# Altium PCB A_base2017.PcbDoc (part 4 of 4)
Units mil, origin at the board's own origin, x right, y up, seen from the top; angles counter-clockwise.
Board outline 7800.07 x 4185 mil, 2 copper layers (Top Layer, Bottom Layer); 147 components, 175 nets, 700 pads, 92 vias.
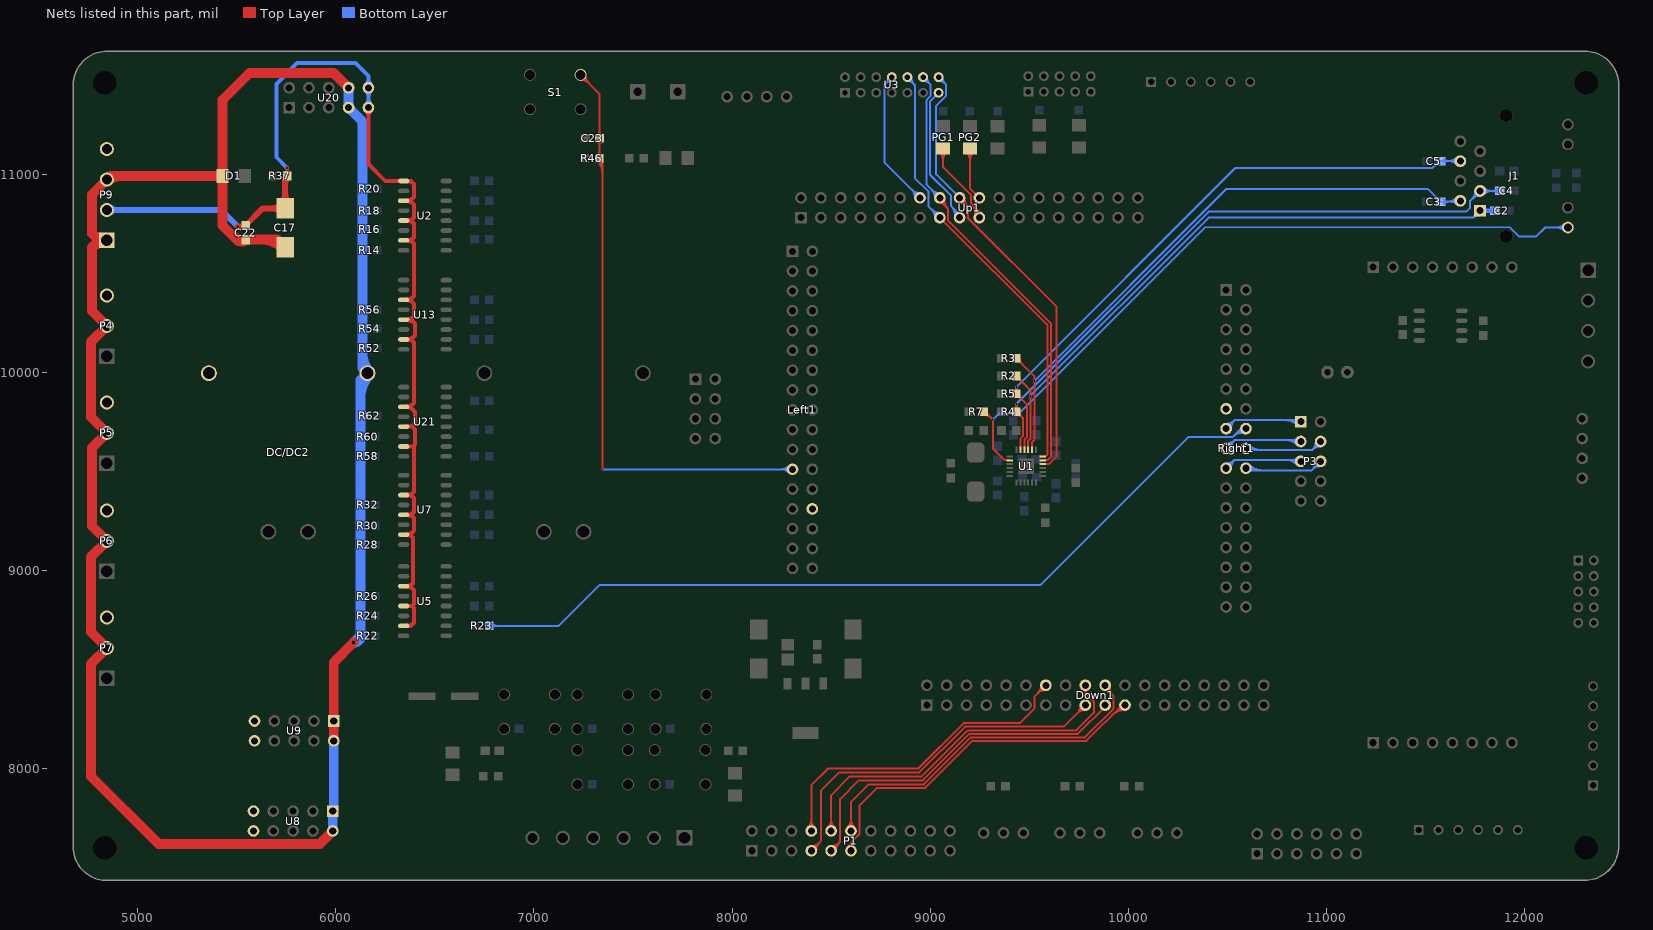
[diagram p4: the nets of this part, all layers, seen from the top]

## Via types
v1: diameter 10, hole 10, Top Layer to Bottom Layer, 80 vias
v2: diameter 20, hole 20, Top Layer to Bottom Layer, 11 vias
v3: diameter 12, hole 12, Top Layer to Bottom Layer, 1 vias

## Nets (pads, with @x,y where several pads share a name; then routed paths per layer and width w, separated by ;. In a path a pad name is that pad's centre, name@x,y a point inside that pad or via, vN(x,y) a via of type N, cw(c..) or ccw(c..) an arc to the next point about the centre after c; other vN are vias at no path point) (continued)
PF12: Down1.14 P1.8 | length 1953.7
  Top Layer w10: P1.8@8382.66,7702.34 ccw(c8340.79,7744.21) 8400,7744.21 ccw(c8459.21,7744.21) P1.8@8417.34,7702.34 ; P1.8@8389.73,7695.27 ccw(c8364.93,7720.07) 8400,7720.07 ccw(c8435.07,7720.07) P1.8@8410.27,7695.27 ; P1.8@8400,7685 8400,7915 8485,8000 8939.53,8000 9168.53,8229 9452.3,8229 9525.6,8302.3 9525.6,8362.44 Down1.14@9583.07,8419.91 ; Down1.14@9558.54,8419.91 cw(c9499.33,8419.91) 9541.2,8378.04 cw(c9583.07,8336.17) Down1.14@9583.07,8395.39 ; Down1.14@9568.54,8419.91 cw(c9533.47,8419.91) 9558.27,8395.11 cw(c9583.07,8370.31) Down1.14@9583.07,8405.39
PF13: Down1.17 P1.7 | length 2133.1
  Top Layer w10: P1.7@8400,7585 8450,7635 8450,7890 8540,7980 8944.98,7980 9175.98,8211 9674.16,8211 Down1.17@9783.07,8319.91 ; P1.7@8400,7599.53 ccw(c8400,7634.6) 8424.8,7609.8 ccw(c8449.6,7585) P1.7@8414.53,7585 ; P1.7@8400,7609.53 ccw(c8400,7668.74) 8441.87,7626.87 ccw(c8483.74,7585) P1.7@8424.53,7585 ; Down1.17@9758.54,8319.91 cw(c9699.33,8319.91) 9741.2,8278.04 cw(c9783.07,8236.17) Down1.17@9783.07,8295.39 ; Down1.17@9768.54,8319.91 cw(c9733.47,8319.91) 9758.27,8295.11 cw(c9783.07,8270.31) Down1.17@9783.07,8305.39
PF14: Down1.18 P1.10 | length 2027.2
  Top Layer w10: P1.10@8482.66,7702.34 ccw(c8440.79,7744.21) 8500,7744.21 ccw(c8559.21,7744.21) P1.10@8517.34,7702.34 ; P1.10@8489.73,7695.27 ccw(c8464.93,7720.07) 8500,7720.07 ccw(c8535.07,7720.07) P1.10@8510.27,7695.27 ; P1.10@8500,7685 8500,7865 8595,7960 8957,7960 9190,8193 9738,8193 9825.6,8280.6 9825.6,8337.53 9783.07,8380.06 ; Down1.18@9772.02,8398.02 cw(c9762.95,8380.06) 9783.07,8380.06 ; Down1.18@9783.07,8419.91 9783.07,8380.06 ; Down1.18@9794.12,8398.02 ccw(c9803.19,8380.06) 9783.07,8380.06
PF15: Down1.19 P1.9 | length 1965.8
  Top Layer w10: P1.9@8500,7585 8545,7630 8545,7845 8640,7940 8962.46,7940 9197.46,8175 9745.46,8175 9883.07,8312.62 Down1.19@9883.07,8319.91 ; P1.9@8500,7599.53 ccw(c8500,7634.6) 8524.8,7609.8 ccw(c8549.6,7585) P1.9@8514.53,7585 ; P1.9@8500,7609.53 ccw(c8500,7668.74) 8541.87,7626.87 ccw(c8583.74,7585) P1.9@8524.53,7585
PG0: Down1.20 P1.12 | length 2103.1
  Top Layer w10: P1.12@8582.66,7702.34 ccw(c8540.79,7744.21) 8600,7744.21 ccw(c8659.21,7744.21) P1.12@8617.34,7702.34 ; P1.12@8589.73,7695.27 ccw(c8564.93,7720.07) 8600,7720.07 ccw(c8635.07,7720.07) P1.12@8610.27,7695.27 ; P1.12@8600,7685 8600,7830 8690,7920 8967.91,7920 9204.91,8157 9780.3,8157 9925.6,8302.3 9925.6,8362.44 ; Down1.20@9883.07,8395.39 cw(c9883.07,8372.25) 9899.43,8388.61 ; Down1.20@9883.07,8419.91 9883.07,8404.97 9925.6,8362.44 ; Down1.20@9887.56,8419.3 ccw(c9920.9,8414.74) 9897.1,8390.94 ; Down1.20@9897.47,8417.94 ccw(c9945.97,8411.31) 9911.35,8376.69 ; Down1.20@9907.37,8416.59 ccw(c9971.03,8407.87) 9925.6,8362.44
PG1: Down1.21 P1.11 | length 2024
  Top Layer w10: P1.11@8588.95,7606.9 ccw(c8579.88,7624.86) 8600,7624.86 ; P1.11@8600,7585 8600,7624.86 ; P1.11@8611.05,7606.9 cw(c8620.12,7624.86) 8600,7624.86 ; 9916.62,8267.86 cw(c9983.07,8201.4) Down1.21@9983.07,8295.39 ; 9933.69,8284.93 cw(c9983.07,8235.55) Down1.21@9983.07,8305.39 ; 9950.76,8302 cw(c9983.07,8269.69) Down1.21@9983.07,8315.39 ; 9951.38,8302.63 ccw(c9934.1,8319.91) Down1.21@9958.54,8319.91 ; Down1.21@9983.07,8319.91 9968.67,8319.91 9787.76,8139 9212.37,8139 8975.37,7902 8732,7902 8642.53,7812.53 8642.53,7667.38 8600,7624.86
PG2: P3.6 Right1.20 | length 731.6
  Top Layer w10: Right1.20@10593.09,9515.17 Right1.20@10603.26,9505
  Bottom Layer w10: Right1.20@10596.29,9518.37 ccw(c10628.58,9550.66) 10628.58,9505 ; Right1.20@10603.26,9505 10925,9505 P3.6@10970,9550 ; Right1.20@10603.37,9525.44 ccw(c10652.72,9574.8) 10652.72,9505 ; Right1.20@10610.44,9497.83 cw(c10627.75,9480.51) 10627.75,9505 ; Right1.20@10610.44,9532.52 ccw(c10676.86,9598.94) 10676.86,9505 ; P3.6@10945.47,9550 cw(c10886.26,9550) 10928.13,9508.13 cw(c10970,9466.26) P3.6@10970,9525.47 ; P3.6@10955.47,9550 cw(c10920.4,9550) 10945.2,9525.2 cw(c10970,9500.4) P3.6@10970,9535.47
PG3: P3.5 Right1.19 | length 716.3
  Top Layer w10: P3.5@10862.3,9557.7 P3.5@10870,9550
  Bottom Layer w10: Right1.19@10493.09,9515.17 10535.62,9557.7 P3.5@10862.3,9557.7 ; Right1.19@10493.09,9529.7 ccw(c10493.09,9564.77) 10517.89,9539.97 ccw(c10542.69,9515.17) Right1.19@10507.62,9515.17 ; Right1.19@10493.09,9539.7 ccw(c10493.09,9598.91) 10534.96,9557.04 ccw(c10576.84,9515.17) Right1.19@10517.62,9515.17 ; 10792.2,9557.7 cw(c10792.2,9472.2) P3.5@10852.66,9532.66 ; 10816.34,9557.7 cw(c10816.34,9496.34) P3.5@10859.73,9539.73 ; 10829.37,9557.7 ccw(c10829.37,9590.63) P3.5@10852.66,9567.34 ; 10840.48,9557.7 cw(c10840.48,9520.48) P3.5@10866.8,9546.8
PG4: P3.4 Right1.18 | length 716.3
  Top Layer w10: Right1.18@10593.09,9615.17 Right1.18@10600.79,9607.47
  Bottom Layer w10: Right1.18@10596.29,9618.37 ccw(c10622.61,9644.69) 10622.61,9607.47 ; Right1.18@10600.79,9607.47 10927.47,9607.47 P3.4@10970,9650 ; Right1.18@10603.37,9625.44 ccw(c10646.75,9668.83) 10646.75,9607.47 ; Right1.18@10610.44,9597.83 cw(c10633.72,9574.55) 10633.72,9607.47 ; Right1.18@10610.44,9632.52 ccw(c10670.9,9692.98) 10670.9,9607.47 ; P3.4@10945.47,9650 cw(c10886.26,9650) 10928.13,9608.13 cw(c10970,9566.26) P3.4@10970,9625.47 ; P3.4@10955.47,9650 cw(c10920.4,9650) 10945.2,9625.2 cw(c10970,9600.4) P3.4@10970,9635.47
PG5: P3.3 Right1.17 | length 716.3
  Top Layer w10: P3.3@10862.3,9657.7 P3.3@10870,9650
  Bottom Layer w10: Right1.17@10493.09,9615.17 10535.62,9657.7 P3.3@10862.3,9657.7 ; Right1.17@10493.09,9629.7 ccw(c10493.09,9664.77) 10517.89,9639.97 ccw(c10542.69,9615.17) Right1.17@10507.62,9615.17 ; Right1.17@10493.09,9639.7 ccw(c10493.09,9698.91) 10534.96,9657.04 ccw(c10576.84,9615.17) Right1.17@10517.62,9615.17 ; 10792.2,9657.7 cw(c10792.2,9572.2) P3.3@10852.66,9632.66 ; 10816.34,9657.7 cw(c10816.34,9596.34) P3.3@10859.73,9639.73 ; 10829.37,9657.7 ccw(c10829.37,9690.63) P3.3@10852.66,9667.34 ; 10840.48,9657.7 cw(c10840.48,9620.48) P3.3@10866.8,9646.8
PG6: R23.1 Right1.16 | length 4463.1
  Bottom Layer w10: R23.1@6775,8720 7125,8720 7330,8925 9555.46,8925 9583,8952.54 9583,8953 10302.64,9672.64 10525.11,9672.64 ; R23.1@6786.78,8708.22 cw(c6815.21,8679.79) 6815.21,8720 cw(c6815.21,8760.21) R23.1@6786.78,8731.78 ; 10538.1,9685.64 cw(c10578.16,9645.59) Right1.16@10590.04,9700.97 ; 10551.1,9698.63 cw(c10582.75,9666.98) Right1.16@10592.14,9710.75 ; Right1.16@10587.95,9691.19 ccw(c10573.57,9624.19) 10525.11,9672.65 ; Right1.16@10593.09,9715.17 10567.64,9715.17 10525.11,9672.64
PG7: P3.1 Right1.15 | length 716.3
  Top Layer w10: P3.1@10862.3,9757.7 P3.1@10870,9750
  Bottom Layer w10: Right1.15@10493.09,9715.17 10535.62,9757.7 P3.1@10862.3,9757.7 ; Right1.15@10493.09,9729.7 ccw(c10493.09,9764.77) 10517.89,9739.97 ccw(c10542.69,9715.17) Right1.15@10507.62,9715.17 ; Right1.15@10493.09,9739.7 ccw(c10493.09,9798.91) 10534.96,9757.04 ccw(c10576.84,9715.17) Right1.15@10517.62,9715.17 ; 10792.2,9757.7 cw(c10792.2,9672.2) P3.1@10852.66,9732.66 ; 10816.34,9757.7 cw(c10816.34,9696.34) P3.1@10859.73,9739.73 ; 10829.37,9757.7 ccw(c10829.37,9790.63) P3.1@10852.66,9767.34 ; P3.1@10840.48,9757.7 cw(c10840.48,9720.48) P3.1@10866.8,9746.8
PG8: Right1.13
PG9: PG2.2 Up1.20 | length 428.3
  Top Layer w10: PG2.2@9181.62,11110.62 cw(c9137.23,11066.23) 9200,11066.23 cw(c9262.77,11066.23) PG2.2@9218.38,11110.62 ; PG2.2@9188.69,11117.69 cw(c9161.37,11090.37) 9200,11090.37 cw(c9238.63,11090.37) PG2.2@9211.31,11117.69 ; PG2.2@9200,11129 9200,10928.09 Up1.20@9248.15,10879.94
PG10: PG1.2 Up1.19 | length 838.4
  Top Layer w10: PG1.2@9046.62,11110.62 cw(c9002.23,11066.23) 9065,11066.23 cw(c9127.77,11066.23) PG1.2@9083.38,11110.62 ; PG1.2@9053.69,11117.69 cw(c9026.37,11090.37) 9065,11090.37 cw(c9103.63,11090.37) PG1.2@9076.31,11117.69 ; PG1.2@9065,11129 9065,11035 9205.62,10894.38 9205.62,10854.38 ; 9218.04,10841.96 cw(c9174.75,10798.67) Up1.19@9234.07,10783.54 ; Up1.19@9224.38,10786.01 ccw(c9154.96,10803.72) 9205.62,10854.38 ; 9230.46,10829.54 cw(c9194.54,10793.62) Up1.19@9243.76,10781.06 ; Up1.19@9241.84,10803.65 ccw(c9239.65,10811.85) 9248.14,10811.85 ; 9242.88,10817.12 cw(c9214.32,10788.57) Up1.19@9253.45,10778.59 ; Up1.19@9248.15,10779.94 9248.15,10811.85 ; Up1.19@9254.45,10803.65 cw(c9256.64,10811.85) 9248.15,10811.85 ; 9205.62,10854.38 9248.15,10811.85
PG11: U1.16 U3.14 Up1.18 | length 2512.9
  Top Layer w10: Up1.18@9148.15,10855.42 cw(c9148.15,10796.2) 9190.02,10838.07 cw(c9231.89,10879.94) Up1.18@9172.67,10879.94 ; Up1.18@9148.15,10865.42 cw(c9148.15,10830.34) 9172.95,10855.15 cw(c9197.75,10879.94) Up1.18@9162.67,10879.94 ; Up1.18@9148.15,10879.94 9190.67,10837.42 9190.67,10777.27 9637.8,10330.14 9637.8,9575.09 9598.34,9535.63 U1.16@9567.25,9535.63
  Bottom Layer w10: U3.14@9042.44,11468.74 cw(c9042.44,11420.46) 9076.58,11454.6 cw(c9110.73,11488.74) U3.14@9062.44,11488.74 ; U3.14@9042.44,11488.74 9080.44,11450.74 9080.44,11394.26 9058.18,11372 9030,11343.82 9030,10998.09 Up1.18@9148.15,10879.94
PG12: U3.13 Up1.17 | length 862.5
  Bottom Layer w10: U3.13@9042.44,11410 9042.44,11409.54 9000,11367.1 9000,10995 9105.62,10889.38 9105.62,10837.42 ; 9119.87,10823.17 cw(c9085.25,10788.55) Up1.17@9133.75,10781.92 ; Up1.17@9123.84,10783.27 ccw(c9060.19,10791.98) 9105.62,10837.42 ; 9131.79,10811.25 ccw(c9148.15,10827.61) Up1.17@9148.15,10804.47 ; 9134.11,10808.92 cw(c9110.31,10785.12) Up1.17@9143.66,10780.56 ; Up1.17@9148.15,10779.94 9148.15,10794.89 9105.62,10837.42
PG13: U1.17 U3.12 Up1.16 | length 2629.1
  Top Layer w10: Up1.16@9048.15,10855.42 cw(c9048.15,10832.28) 9064.5,10848.64 ; Up1.16@9048.15,10879.94 9048.15,10865 9090.67,10822.47 ; Up1.16@9052.63,10879.33 ccw(c9085.98,10874.77) 9062.18,10850.97 ; Up1.16@9062.54,10877.97 ccw(c9111.04,10871.34) 9076.42,10836.72 ; Up1.16@9072.45,10876.62 ccw(c9136.1,10867.91) 9090.67,10822.47 ; U1.17@9567.25,9555.31 9568.94,9557 9594.26,9557 9610,9572.74 9610,10245 9090.67,10764.33 9090.67,10822.47
  Bottom Layer w10: U3.12@8963.7,11468.74 cw(c8963.7,11420.46) 8997.84,11454.6 cw(c9031.99,11488.74) U3.12@8983.7,11488.74 ; U3.12@8963.7,11488.74 9001.7,11450.74 9001.7,11394.26 8980,11372.56 8980,10948.09 Up1.16@9048.15,10879.94 ; Up1.16@9023.62,10879.94 ccw(c8964.4,10879.94) 9006.27,10921.82 ccw(c9048.15,10963.69) Up1.16@9048.15,10904.47 ; Up1.16@9033.62,10879.94 ccw(c8998.55,10879.94) 9023.35,10904.75 ccw(c9048.15,10929.55) Up1.16@9048.15,10894.47
PG14: U1.18 U3.10 Up1.15 | length 2473.6
  Top Layer w10: Up1.15@9048.15,10779.94 9592,10236.09 9592,9585 9582,9575 U1.18@9567.25,9575
  Bottom Layer w10: U3.10@8884.96,11468.74 cw(c8884.96,11427.07) 8914.43,11456.54 ; U3.10@8884.96,11488.74 8884.96,11486 8922.96,11448 8922.96,10979.67 8990.67,10911.96 8990.67,10837.42 Up1.15@9048.15,10779.94 ; U3.10@8894.96,11488.74 ccw(c8925.72,11488.74) 8903.97,11466.99 ; U3.10@8904.96,11488.74 ccw(c8959.86,11488.74) 8921.04,11449.92 ; Up1.15@9023.62,10779.94 ccw(c8964.4,10779.94) 9006.27,10821.82 ccw(c9048.15,10863.69) Up1.15@9048.15,10804.47 ; Up1.15@9033.62,10779.94 ccw(c8998.55,10779.94) 9023.35,10804.75 ccw(c9048.15,10829.55) Up1.15@9048.15,10794.47
PG15: U3.8 Up1.14 | length 947.2
  Bottom Layer w10: 8770.14,11449.92 ccw(c8731.32,11488.74) U3.8@8786.22,11488.74 ; 8776.76,11456.54 cw(c8806.22,11427.07) U3.8@8806.22,11468.74 ; 8787.21,11466.99 ccw(c8765.46,11488.74) U3.8@8796.22,11488.74 ; U3.8@8806.22,11488.74 8806.22,11486 8768.22,11448 8768.22,11059.87 Up1.14@8948.15,10879.94 ; Up1.14@8923.62,10879.94 ccw(c8864.4,10879.94) 8906.27,10921.82 ccw(c8948.15,10963.69) Up1.14@8948.15,10904.47 ; Up1.14@8933.62,10879.94 ccw(c8898.55,10879.94) 8923.35,10904.75 ccw(c8948.15,10929.55) Up1.14@8948.15,10894.47
PGND: C17.2 C22.1 DC/DC2.Vout- P4.3 P5.3 P6.3 P7.3 P9.2 P9.4 R37.1 U2.9 U2.11 U2.13 U2.15 U5.11 U5.13 U5.15 U7.11 U7.13 U7.15 U8.9 U8.10 U9.9 U9.10 U13.11 U13.13 U13.15 U20.9 U20.10 U21.11 U21.13 U21.15 | length 7024.6
  Top Layer w20: R37.1@5746.76,10998.24 ccw(c5726.87,11018.13) 5755,11018.13 ccw(c5783.13,11018.13) R37.1@5763.24,10998.24 ; R37.1@5755,10990 v1(5755,11029.65) ; U20.9@6151.19,11321.19 cw(c6117.86,11287.86) 6165,11287.86 cw(c6212.14,11287.86) U20.9@6178.81,11321.19 ; U20.9@6165,11335 6165,11050 6250,10965 U2.9@6342.72,10965 6380,10965 6395,10950 ; U5.15@6342.72,8720 6380,8720 6395,8735 ; U5.13@6342.72,8820 6385,8820 ; U21.15@6342.72,9625 6390,9625 ; U21.13@6342.72,9725 6385,9725 ; U5.11@6359.45,8918.19 cw(c6359.45,8876.27) 6389.09,8905.91 ; U5.11@6359.45,8921.81 ccw(c6359.45,8963.73) 6389.09,8934.09 ; U7.15@6359.45,9178.19 cw(c6359.45,9136.27) 6389.09,9165.91 ; U7.15@6359.45,9181.81 ccw(c6359.45,9223.73) 6389.09,9194.09 ; U21.11@6359.45,9823.19 cw(c6359.45,9781.27) 6389.09,9810.91 ; U21.11@6359.45,9826.81 ccw(c6359.45,9868.73) 6389.09,9839.09 ; U13.15@6359.45,10166.81 ccw(c6359.45,10220.8) 6397.62,10182.62 ; U13.13@6359.45,10263.19 cw(c6359.45,10209.2) 6397.62,10247.38 ; U13.11@6359.45,10363.19 cw(c6359.45,10321.27) 6389.09,10350.91 ; U13.11@6359.45,10366.81 ccw(c6359.45,10408.73) 6389.09,10379.09 ; U2.11@6359.45,10863.19 cw(c6359.45,10821.27) 6389.09,10850.91 ; U2.11@6359.45,10866.81 ccw(c6359.45,10908.73) 6389.09,10879.09 ; U5.15@6359.58,8721.81 ccw(c6362.86,8767.14) 6395,8735 ; U7.13@6359.58,9278.19 cw(c6362.86,9232.86) 6395,9265 ; U7.13@6359.58,9281.81 ccw(c6362.86,9327.14) 6395,9295 ; U7.11@6359.58,9378.19 cw(c6362.86,9332.86) 6395,9365 ; U7.11@6359.58,9381.81 ccw(c6362.86,9427.14) 6395,9395 ; U13.15@6359.58,10163.19 cw(c6362.86,10117.86) 6395,10150 ; U13.13@6359.58,10266.81 ccw(c6362.86,10312.14) 6395,10280 ; U2.15@6359.58,10663.19 cw(c6362.86,10617.86) 6395,10650 ; U2.15@6359.58,10666.81 ccw(c6362.86,10712.14) 6395,10680 ; U2.13@6359.58,10763.19 cw(c6362.86,10717.86) 6395,10750 ; U2.13@6359.58,10766.81 ccw(c6362.86,10812.14) 6395,10780 ; U2.9@6359.58,10963.19 cw(c6362.86,10917.86) 6395,10950 ; 6385,8820 6395,8810 6395,8735 ; 6385,8820 6395,8830 6395,8900 6375,8920 6390,8935 6390,9165 6375,9180 6395,9200 6395,9265 ; 6385,9725 6400,9710 6400,9635 6390,9625 ; 6385,9725 6400,9740 6400,9800 6375,9825 6395,9845 6395,10150 ; 6390,9625 6395,9620 6395,9395 ; 6395,9265 6380,9280 6395,9295 ; 6395,9295 6395,9365 ; 6395,9365 6380,9380 6395,9395 ; 6395,10150 6380,10165 6400,10185 6400,10245 6380,10265 6395,10280 ; 6395,10280 6395,10345 6375,10365 6395,10385 6395,10650 ; 6395,10650 6380,10665 6395,10680 ; 6395,10680 6395,10750 ; 6395,10750 6380,10765 6395,10780 ; 6395,10780 6395,10845 6375,10865 6395,10885 6395,10950
  Top Layer w30: v3(5505,10735) C22.1@5540,10735 ; 5521.62,10735 ccw(c5521.62,10761.41) C22.1@5540.3,10742.74 ; C22.1@5545,10740 5631.85,10826.85 C17.2@5745,10826.85 R37.1@5745,10980 ; C17.2@5724.98,10806.83 ccw(c5676.66,10758.51) 5676.66,10826.85 ccw(c5676.66,10895.19) C17.2@5724.98,10846.87 ; C17.2@5724.98,10854.74 ccw(c5676.66,10903.06) 5745,10903.06 ccw(c5813.34,10903.06) C17.2@5765.02,10854.74 ; 5745,10949.79 cw(c5795.21,10949.79) R37.1@5759.7,10985.3
  Bottom Layer w20: v1(5755,11029.65) 5700,11084.65 5700,11455 5805,11560 6100,11560 6165,11495 U20.10@6165,11435 U20.9@6165,11335 ; U20.9@6151.19,11348.81 ccw(c6117.86,11382.14) 6165,11382.14 ccw(c6212.14,11382.14) U20.9@6178.81,11348.81 ; U20.10@6151.19,11421.19 cw(c6117.86,11387.86) 6165,11387.86 cw(c6212.14,11387.86) U20.10@6178.81,11421.19 ; U20.10@6151.19,11448.81 ccw(c6117.86,11482.14) 6165,11482.14 ccw(c6212.14,11482.14) U20.10@6178.81,11448.81
  Bottom Layer w30: P9.2@4845,10818.54 5421.46,10818.54 v3(5505,10735) ; P9.2@4859.45,10804.09 cw(c4894.33,10769.21) 4894.33,10818.54 cw(c4894.33,10867.87) P9.2@4859.45,10832.99
PWR5V: C17.1 C22.2 D1.1 DC/DC2.Vout+ P4.2 P5.2 P6.2 P7.2 P9.1 P9.3 R14.2 R16.2 R18.2 R20.2 R22.2 R24.2 R26.2 R28.2 R30.2 R32.2 R52.2 R54.2 R56.2 R58.2 R60.2 R62.2 U8.1 U8.2 U9.1 U9.2 U20.7 U20.8 | length 11665.4
  Top Layer w50: P9.1@4841.89,10650.97 ccw(c4825.07,10574.94) 4770,10630 ; P9.1@4841.89,10679.03 cw(c4825.07,10755.06) 4770,10700 ; P9.3@4852.38,10964.71 cw(c4913.43,10903.65) 4913.43,10990 ; 5472.01,10697.99 ccw(c5545,10770.98) C22.2@5545,10667.76 ; C22.2@5547.08,10666.52 cw(c5525.44,10693.71) 5500.87,10669.13 ; 5625.33,10669.13 cw(c5625.33,10518.21) C17.1@5732.05,10624.93 ; C17.1@5745,10630 5705.87,10669.13 C22.2@5545,10669.13 5500.87,10669.13 ; U8.2@5985,7685 5920,7620 5105,7620 4765,7960 4765,8528.54 P7.2@4845,8608.54 4765,8688.54 4765,9068.54 P6.2@4845,9148.54 4770,9223.54 4770,9618.54 P5.2@4845,9693.54 4765,9773.54 4765,10153.54 P4.2@4845,10233.54 4770,10308.54 4770,10630 ; U9.2@5990,8140 U9.1@5990,8240 5990,8535 v2(6090,8635) ; U20.8@6065,11435 5990,11510 5565,11510 5429,11374 D1.1@5429,10990 ; 4770,10630 4805,10665 4770,10700 ; 4770,10700 4770,10897.09 P9.3@4845,10972.09 4862.91,10990 D1.1@5429,10990 ; D1.1@5429,10990 5429,10741 5500.87,10669.13
  Bottom Layer w50: U8.2@5985,7685 U8.1@5985,7785 ; U8.1@5990,7795 U9.2@5990,8140 ; U20.8@6065,11417.48 6065,11335.46 6135.2,11265.26 R20.2@6135.2,10925 R18.2@6135.2,10815 R16.2@6135.2,10720 R14.2@6135.2,10615 R56.2@6135.2,10315 R54.2@6135.2,10220 R52.2@6135.2,10120 6135.2,10019.8 DC/DC2.Vout+@6160,9995 6125.2,9960.2 R60.2@6125.2,9675 R58.2@6125.2,9575 R32.2@6125.2,9330 R30.2@6125.2,9225 R28.2@6125.2,9130 R26.2@6125.2,8870 R24.2@6125.2,8770 R22.2@6125.2,8670 v2@6090.2,8635 ; 6125.2,9874.76 cw(c6280.24,9874.76) DC/DC2.Vout+@6170.61,9984.39 ; R22.2@6128.52,8669.65 cw(c6090,8673.74) v2(6090,8635) v2@6090.2,8635 ; R22.2@6128.53,8669.66 cw(c6090.2,8673.52) v2@6090.2,8635 ; 6135.2,10091.09 ccw(c6256.09,10091.09) DC/DC2.Vout+@6170.61,10005.61
RESET: C23.2 Left1.23 R46.1 S1.1 | length 3642.5
  Top Layer w10: S1.1@7235.91,11475 cw(c7235.91,11414.64) 7278.58,11457.32 cw(c7321.26,11500) S1.1@7260.91,11500 ; S1.1@7235.91,11485 cw(c7235.91,11448.79) 7261.51,11474.39 cw(c7287.12,11500) S1.1@7250.91,11500 ; S1.1@7235.91,11500 7330.87,11405.04 C23.2@7330.87,11180 R46.1@7330.87,11080.87 ; R46.1@7318.22,11068.22 cw(c7253.58,11003.58) 7345,11003.58 ; R46.1@7318.22,11091.78 ccw(c7287.7,11122.3) 7330.87,11122.3 ; C23.2@7319.09,11168.22 cw(c7290.66,11139.79) 7330.87,11139.79 cw(c7371.07,11139.79) C23.2@7342.64,11168.22 ; C23.2@7319.09,11191.78 ccw(c7290.66,11220.21) 7330.87,11220.21 ccw(c7371.07,11220.21) C23.2@7342.64,11191.78 ; R46.1@7325.3,11075.3 cw(c7277.72,11027.72) 7345,11027.72 ; R46.1@7330,11080 7345,11065 v1(7345,9510) ; 7330.87,11118.11 ccw(c7368.11,11118.11) R46.1@7341.78,11091.78 ; R46.1@7332.37,11082.37 cw(c7301.87,11051.87) 7345,11051.87
  Bottom Layer w10: v1(7345,9510) Left1.23@8305,9510 ; Left1.23@8287.66,9492.66 ccw(c8245.79,9450.79) 8245.79,9510 ccw(c8245.79,9569.21) Left1.23@8287.66,9527.34 ; Left1.23@8294.73,9499.73 ccw(c8269.93,9474.93) 8269.93,9510 ccw(c8269.93,9545.07) Left1.23@8294.73,9520.27
SPEED_LED: J1.9 R7.1 U1.2 | length 3896.7
  Top Layer w10: R7.1@9269.53,9784.13 cw(c9269.53,9728.26) 9309.03,9767.77 ; R7.1@9269.53,9794.13 cw(c9269.53,9762.41) 9291.96,9784.84 ; R7.1@9271.8,9800.79 9276.02,9800.79 v1@9316.8,9760 ; R7.1@9286.18,9800.79 ccw(c9310.72,9800.79) 9293.37,9783.43 ; v1(9315,9760) 9316.8,9758.2 9316.8,9614.54 9374.35,9557 9400.12,9557 U1.2@9401.8,9555.31
  Bottom Layer w10: v1(9315,9760) 9347.41,9792.41 9450,9792.41 10388.94,10731.35 11924.25,10731.35 11970.27,10685.32 12057.99,10685.32 12102.83,10730.16 J1.9@12217.91,10730.16 ; J1.9@12200.57,10712.81 ccw(c12158.7,10670.94) 12158.7,10730.16 ccw(c12158.7,10789.37) J1.9@12200.57,10747.5 ; J1.9@12207.64,10719.89 ccw(c12182.84,10695.08) 12182.84,10730.16 ccw(c12182.84,10765.23) J1.9@12207.64,10740.43
TPRX+: C4.2 J1.3 R4.1 U1.23 | length 3646.3
  Top Layer w10: R4.1@9423.21,9813 ccw(c9398.2,9840) v1(9435,9840) 9435,9801.26 R4.1@9434.53,9800.79 9469.18,9766.13 9469.18,9678.75 9455,9664.57 U1.23@9455,9608.51 ; R4.1@9434.53,9784.13 cw(c9434.53,9743.93) 9462.96,9772.36 cw(c9491.39,9800.79) R4.1@9451.18,9800.79 ; v1@9435,9839.85 ccw(c9473.59,9839.85) R4.1@9446.3,9812.56
  Bottom Layer w10: v1@9435.46,9840 10405.46,10810 11705,10810 11725,10830 11725,10864.8 J1.3@11775,10914.8 C4.2@11873.94,10914.8 ; J1.3@11750,10914.8 cw(c11689.64,10914.8) 11732.32,10872.13 cw(c11775,10829.45) J1.3@11775,10889.8 ; J1.3@11760,10914.8 cw(c11723.79,10914.8) 11749.39,10889.2 cw(c11775,10863.59) J1.3@11775,10899.8 ; J1.3@11785.61,10904.2 cw(c11811.21,10878.59) 11811.21,10914.8 cw(c11811.21,10951.02) J1.3@11785.61,10925.41 ; J1.3@11792.68,10897.13 cw(c11835.36,10854.45) 11835.36,10914.8 cw(c11835.36,10975.16) J1.3@11792.68,10932.48 ; 11831.48,10914.8 ccw(c11831.48,10955.68) C4.2@11860.39,10926.78 ; 11832.44,10914.8 cw(c11832.44,10875.27) C4.2@11860.39,10903.22
TPRX-: C5.2 J1.6 R5.1 U1.22 | length 3467.6
  Top Layer w10: R5.1@9424.55,9904.12 ccw(c9408.92,9925) v1(9435,9925) ; R5.1@9434.53,9874.13 cw(c9434.53,9833.93) 9462.96,9862.36 cw(c9491.39,9890.79) R5.1@9451.18,9890.79 ; R5.1@9434.53,9890.79 9487.18,9838.13 9487.18,9671.29 9474.68,9658.8 U1.22@9474.68,9608.51 ; R5.1@9435,9891.26 v1(9435,9925) ; R5.1@9445.09,9903.66 cw(c9462.6,9925) v1(9435,9925)
  Bottom Layer w10: v1(9435,9925) 10540.35,11030.35 11534.01,11030.35 11568.66,11065 C5.2@11575.87,11065 11674.8,11065 J1.6@11675,11064.8 ; 11536.53,11032.87 cw(c11573.9,10995.5) C5.2@11573.9,11048.35 ; 11549.17,11045.51 ccw(c11529.68,11065) C5.2@11557.24,11065 ; C5.2@11553.6,11049.94 cw(c11573.9,11029.64) C5.2@11573.9,11058.35 ; C5.2@11589.61,11053.22 cw(c11618.04,11024.79) 11618.04,11065 cw(c11618.04,11105.21) C5.2@11589.61,11076.78 ; 11614.17,11065 cw(c11614.17,11003.97) J1.6@11657.32,11047.13 ; 11615.12,11065 ccw(c11615.12,11124.68) J1.6@11657.32,11082.48 ; 11638.31,11065 cw(c11638.31,11028.11) J1.6@11664.39,11054.2 ; 11639.26,11065 ccw(c11639.26,11100.54) J1.6@11664.39,11075.41
TPTX+: C2.2 J1.1 R2.1 U1.21 | length 3585
  Top Layer w10: R2.1@9434.53,9964.13 cw(c9434.53,9923.93) 9462.96,9952.36 cw(c9491.39,9980.79) R2.1@9451.18,9980.79 ; R2.1@9434.53,9980.79 9487.59,9927.72 9487.59,9927.59 9505.18,9910 9505.18,9663.84 9494.37,9653.03 U1.21@9494.37,9608.51
  Bottom Layer w10: v1(9505,9880) 10405,10780 11740.2,10780 ; J1.1@11750.3,10810.95 cw(c11714.78,10805.42) 11740.2,10780 ; J1.1@11771.15,10790.1 ccw(c11765.62,10754.58) 11740.2,10780 ; J1.1@11775,10814.8 11740.2,10780 ; J1.1@11775.2,10815 C2.2@11849.13,10815 ; J1.1@11785.61,10804.2 cw(c11811.69,10778.11) 11811.69,10815 ; J1.1@11785.61,10825.41 ccw(c11810.74,10850.54) 11810.74,10815 ; J1.1@11792.68,10797.13 cw(c11835.83,10753.97) C2.2@11835.83,10815 ; J1.1@11792.68,10832.48 ccw(c11834.88,10874.68) C2.2@11834.88,10815 ; 11810.23,10808.14 cw(c11817.72,10780.17) C2.2@11836.41,10802.28 ; 11810.36,10821.57 ccw(c11817.67,10848.86) C2.2@11836.23,10827.56 ; 11814.41,10809.26 ccw(c11806.6,10838.42) C2.2@11832.74,10823.33 ; 11814.92,10820.35 cw(c11807.33,10792) C2.2@11832.74,10806.67 ; C2.2@11835.39,10803.22 ccw(c11806.96,10774.79) 11806.96,10815 ccw(c11806.96,10855.21) C2.2@11835.39,10826.78
TPTX-: C3.2 J1.2 R3.1 U1.20 | length 3403.8
  Top Layer w10: R3.1@9434.53,10054.13 cw(c9434.53,10013.93) 9462.96,10042.36 cw(c9491.39,10070.79) R3.1@9451.18,10070.79 ; R3.1@9434.53,10070.79 9525,9980.31 v1(9525,9955) 9525,9658.2 9514.06,9647.26 U1.20@9514.06,9608.51
  Bottom Layer w10: v1(9525,9955) 10495,10925 11510.87,10925 C3.2@11575.87,10860 J1.2@11670.2,10860 ; 11544.08,10891.79 cw(c11512.29,10860) C3.2@11557.24,10860 ; 11548.83,10887.04 ccw(c11573.9,10912.11) C3.2@11573.9,10876.65 ; C3.2@11589.61,10848.22 cw(c11618.04,10819.79) 11618.04,10860 cw(c11618.04,10900.21) C3.2@11589.61,10871.78 ; 11603.05,10860 ccw(c11603.05,10936.75) J1.2@11657.32,10882.48 ; 11626.24,10860 cw(c11626.24,10816.04) J1.2@11657.32,10847.13 ; 11627.19,10860 ccw(c11627.19,10912.61) J1.2@11664.39,10875.41
VREF+: Left1.28
pads on no net: 2.8 Down1.15 Down1.16 Down1.25 Down1.26 Down1.35 Down1.36 J1.7 J1.8 J1.14 Left1.6 Left1.21 Left1.22 Left1.31 Left1.32 P1.16 P1.18 P1.22 Right1.1 Right1.2 Right1.3 Right1.14 Right1.23 Right1.24 S1.0 S1.3 S2.0 S2.3 S3.0 S3.3 S4.0 S4.3 S5.0 S5.3 S6.0 S6.3 StepUP.3@11335,8130 StepUP.5 StepUP.7 StepUP.9 StepUP.11 StepUP.13 StepUP.22 U1.10 U4.1 U4.3 U4.5 U4.7 U4.9 U4.11 U5.7 U5.8 U5.9 U5.10 U6.4 U7.7 U7.8 U7.9 U7.10 U10.1 U11.1 U12.1 U13.7 U13.8 U13.9 U13.10 U14.1 U14.6 U15.1 U15.6 U16.1 U16.2 U21.7 U21.8 U21.9 U21.10 Up1.1 Up1.2 Up1.3 Up1.11 Up1.12 Up1.13 Up1.22 Up1.23 Up1.34 Up1.35 Up1.36

## Polygon pours and split planes (outlines as drawn)
GND on Top Layer "Top Layer-No Net" (hatched 90Degree grid 20 track 8, remove dead copper, pour order 10): 6647,9420 6647,11815 6642,11820 6712,11890 12842,11890 12842,7080 12852,7070 12632,7290 7972,7290 7972,7875 7007,7875 7007,8340 7017,8350 7402,8735 7402,9295 6647,9295
GGND on Top Layer "Top Layer-No Net" (hatched 90Degree grid 20 track 8, remove dead copper, pour order 9): 6125,7380 6125,8225 6130,8225 6635,8730 6670,8765 6670,9310 7340,9310 7345,9305 7345,8920 7345,8895 6970,8520 6950,8500 6950,7890 7900,7890 7905,7895 7905,7340
PGND on Top Layer "Top Layer-No Net" (hatched 90Degree grid 20 track 8, remove dead copper, pour order 8): 6435,11635 6435,8640 6435,8635 6050,8250 6050,7250 4520,7250 4585,7315 4585,11635
GND on Bottom Layer "Top Layer-No Net" (hatched 90Degree grid 20 track 8, remove dead copper, pour order 12): 7990,7355 7990,7945 7030,7945 7025,7950 7025,8405 7025,8420 7420,8815 7445,8840 11985,8840 11990,8840 12400,9250 12410,9260 12410,10665 11820,10665 11815,10670 11815,9345 6670,9345 6665,9340 6670,9345 6670,11950 12845,11950 12855,11960 12850,11955 12850,7365
GGND on Bottom Layer "Top Layer-No Net" (hatched 90Degree grid 20 track 8, remove dead copper, pour order 11): 6120,7375 6125,7380 6125,8200 6125,8205.67 6670,8750.67 6670,9290 11860,9290 11880,9310 11880,10600 12365,10600 12370,10595 12370,9355 12370,9350 12040,9020 12020,9000 12020,8000 11190,8000 11185,8005 11190,8010 11190,8890 7360,8890 7345,8875 6950,8480 6950,8475 6950,7875 6960,7865 6970,7855 7905,7855 7905,7345
PGND on Bottom Layer "Top Layer-No Net" (hatched 90Degree grid 20 track 8, remove dead copper, pour order 7): 6445,11630 6445,8635 6445,8630 6060,8245 6060,7245 4530,7245 4595,7310 4595,11630

## Keep-outs
Keep-Out Layer:
  lines w10: 4674.93,7605 ccw(c4845,7605) 4850,7435 12300,7435 ccw(c12300,7610) 12475,7610 12475,11450 ccw(c12302.5,11447.5) 12300,11620 4850,11620 ccw(c4847.5,11447.5) 4675,11450 4675,7605

## Silkscreen, mask and mechanical layers (free items; w line width, h text height)
Top Overlay:
  circle w10: c4836.77,11460 r83.23
  circle w10: c4835,7600 r83.23
  circle w10: c12310,11460 r83.23
  circle w10: c12311.77,7600 r83.23
  lines w10: 4675,8310 5200,8310 5200,10515 5195,10520 4675,10520 ; 5250,7435 5250,8485 6305,8485 6305,7435 ; 6480,7435 6480,7875 7895,7875 7900,7870 7900,7435 ; 7875,11175 7875,11620 ; 7880,11175 8365,11175 ; 8298.15,10729.94 10098.15,10729.94 10098.15,10929.94 ; 8365,11620 8365,11175 ; 9165,7435 9165,7810 9170,7815 10475,7815 10475,7435 ; 9230,11620 9230,11352.36 9231.42,11350.94 9000,11350.94 9000,11180 8995,11175 8365,11175 ; 9310,11620 9310,11295 9825,11295 9825,11225 10025,11225 10025,11615 ; 10045,11620 10045,11220 10695,11220 10695,11620 ; 10570,7435 10570,7975 11220,7975 11220,7435 ; 11370,7435 11370,7975 12040,7975 12040,7435 ; 12475,7810 12100,7810 12100,8485 12475,8485 ; 12475,8525 11940,8525 11925,8525 11925,9275 12475,9275 ; 12475,9345 11845,9345 11845,9875 12475,9875 ; 12475,9925 11970,9925 11975,9930 11975,10350 12075,10350 12075,10630 12080,10635 12475,10635
  text "F8" at 5735,11570 h30
  text "F4" at 5835,11570 h30
  text "F2" at 5935,11570 h30
  text "Pwr5V" at 6005,11570 h30
  text "PGND" at 6160,11570 h30
  text "SDA" at 7921.08,11565 h30
  text "SCL" at 8029.05,11565 h30
  text "GND" at 8137.03,11565 h30
  text "3V3" at 8245,11565 h30
  text "E1" at 8550,11565 h30
  text "E0" at 8625,11565 h30
  text "B5" at 8700,11565 h30
  text "G15" at 8765,11565 h30
  text "G14" at 8850,11565 h30
  text "G13" at 8935,11565 h30
  text "G11" at 9020,11565 h30
  text "GND" at 9455,11565 h30
  text "B7" at 9550,11565 h30
  text "D5" at 9625,11565 h30
  text "C11" at 9700,11565 h30
  text "5V" at 9785,11565 h30
  text "RESET" at 6965,11530 h60
  text "步进电机" at 6395,11345 h100
  text "5V" at 10185,11345 h35
  text "GND" at 10265,11345 h35
  text "RX" at 10385,11345 h35
  text "TX" at 10485,11345 h35
  text "B6" at 9470,11310 h30
  text "D6" at 9545,11310 h30
  text "C10" at 9610,11310 h30
  text "GND" at 9695,11310 h30
  text "5V" at 9795,11310 h30
  text "GND" at 8770,11305 h30
  text "3V3" at 8530,11300 h30
  text "G12" at 9020,11300 h30
  text "串口" at 9845,11250 h100
  text "蓝牙（U5）" at 10170,11240 h100
  text "继电器" at 8670,11210 h100
  text "陀螺仪（I2C）" at 7890,11190 h80
  text "F9" at 5730,11165 h30
  text "F5" at 5830,11165 h30
  text "F3" at 5930,11165 h30
  text "Pwr5V" at 6000,11165 h30
  text "PGND" at 6155,11165 h30
  text "GND" at 7440,11165 h60
  text "5V" at 7710,11165 h60
  text "-" at 4951.66,11110 h80 r270
  text "PGND" at 5070,11060 h60
  text "+" at 4960,10955 h80 r270
  text "网口" at 11525,10905 h100 r90
  text "Pwr5V" at 5070,10895 h60
  text "-" at 4951.66,10805 h80 r270
  text "PGND" at 5070,10745 h60
  text "+" at 4960,10650 h80 r270
  text "Pwr5V" at 5075,10580 h60
  text "PGND" at 4975,10470 h40 r270
  text "CANH" at 12185,10460 h35 r90
  text "CANL" at 12185,10299.71 h35 r90
  text "Pwr" at 5000,10275 h40 r270
  text "5V" at 4945,10265 h40 r270
  text "CANH" at 12185,10139.42 h35 r90
  text "E5" at 4975,10110 h40 r270
  text "CANL" at 12185,9979.12 h35 r90
  text "CAN总线" at 12075,9975 h100 r90
  text "C13" at 7665.69,9949.01 h35
  text "C14" at 7980.69,9949.01 h35
  text "PGND" at 4975,9930 h40 r270
  text "C15" at 7665.69,9849.01 h35
  text "F10" at 7980.69,9849.01 h35
  text "C3" at 7665.69,9749.01 h35
  text "C0" at 7980.69,9749.01 h35
  text "CANL" at 12005,9745 h40
  text "Pwr" at 5000,9735 h40 r270
  text "G7" at 11050,9735 h35
  text "A8" at 11165,9735 h35
  text "5V" at 4945,9725 h40 r270
  text "CANH" at 12005,9650 h40
  text "A0" at 7665.69,9649.01 h35
  text "C2" at 7980.69,9649.01 h35
  text "G5" at 11050,9635 h35
  text "G4" at 11165,9635 h35
  text "电调/舵机" at 5100,9630 h100 r270
  text "E6" at 4975,9570 h40 r270
  text "24V" at 12005,9545 h40
  text "G3" at 11050,9535 h35
  text "G2" at 11165,9535 h35
  text "GGND" at 12005,9445 h40
  text "D15" at 11050,9435 h35
  text "D14" at 11165,9435 h35
  text "全场定位" at 11965,9410 h100 r90
  text "PGND" at 4975,9385 h40 r270
  text "D11" at 11050,9335 h35
  text "D10" at 11165,9335 h35
  text "Pwr" at 5000,9190 h40 r270
  text "5V" at 4945,9180 h40 r270
  text "码盘" at 11970,9130 h100
  text "GND" at 11965,9030 h35
  text "3V3" at 12100,9030 h35
  text "F6" at 4975,9025 h40 r270
  text "A7" at 11965,8955 h35
  text "A6" at 12100,8955 h35
  text "D13" at 11965,8875 h35
  text "D12" at 12100,8875 h35
  text "BUPT_2017" at 8840,8850 h150
  text "PGND" at 4975,8845 h40 r270
  text "E11" at 11965,8795 h35
  text "E9" at 12100,8795 h35
  text "GND" at 11965,8720 h35
  text "5V" at 12100,8720 h35
  text "Pwr" at 5000,8650 h40 r270
  text "5V" at 4945,8640 h40 r270
  text "F7" at 4975,8485 h40 r270
  text "PE2" at 6920,8395 h40
  text "PE3" at 7295,8395 h40
  text "PE4" at 7695,8395 h40
  text "有刷电机" at 5575,8385 h100
  text "TX" at 12275,8285 h35 r90
  text "RX" at 12275,8185 h35 r90
  text "PF0" at 7290,8110 h40
  text "PF1" at 7685,8110 h40
  text "GND" at 12275,8065 h35 r90
  text "5V" at 12275,7985 h35 r90
  text "蓝牙（U3）" at 12210,7965 h100 r90
  text "触碰开关" at 10129.8,7945 h100
  text "PGND" at 5465,7925 h40
  text "G6" at 5650,7925 h40
  text "C6" at 5750,7925 h40
  text "C8" at 5845,7925 h40
  text "Pwr5V" at 5950,7925 h40
  text "手柄（SPI）" at 10610,7880 h100
  text "GND" at 9470,7835 h35
  text "F11" at 9315,7830 h35
  text "E8" at 9715,7830 h35
  text "GND" at 9830,7830 h35
  text "E13" at 10100,7830 h35
  text "GND" at 10210,7830 h35
  text "手柄（串口）" at 11405,7830 h100
  text "GND" at 11620,7760 h35
  text "TX" at 11735,7760 h35
  text "RX" at 11835,7760 h35
  text "5V" at 11935,7760 h35
  text "+" at 7110,7755 h80
  text "+" at 7420,7755 h80
  text "+" at 7730,7755 h80
  text "A4" at 8070,7755 h35
  text "B0" at 8170,7755 h35
  text "B2" at 8265,7755 h35
  text "F12" at 8345,7755 h35
  text "F14" at 8455,7755 h35
  text "G0" at 8565,7755 h35
  text "E7" at 8670,7755 h35
  text "E15" at 8950,7755 h35
  text "-" at 6955,7746.66 h80
  text "-" at 7265,7746.66 h80
  text "-" at 7570,7746.66 h80
  text "MISO" at 10665,7735 h35 r90
  text "MOSI" at 10760,7735 h35 r90
  text "GND" at 10865,7735 h35 r90
  text "3V3" at 10965,7735 h35 r90
  text "NSS" at 11065,7735 h35 r90
  text "SCK" at 11165,7735 h35 r90
  text "12V电源" at 6520,7640 h100
  text "PGND" at 5460,7510 h40
  text "A9" at 5655,7510 h40
  text "A8" at 5755,7510 h40
  text "C9" at 5855,7510 h40
  text "Pwr5V" at 5960,7510 h40
  text "A3" at 8065,7490 h35
  text "A5" at 8170,7490 h35
  text "B1" at 8275,7490 h35
  text "F13" at 8350,7490 h35
  text "F15" at 8460,7490 h35
  text "G1" at 8580,7490 h35
  text "E10" at 8655,7490 h35
  text "E12" at 8760,7490 h35
  text "E14" at 8865,7490 h35
  text "B10" at 8965,7490 h35
  text "B11" at 9070,7490 h35

## Text inside footprints (layer, text, board x,y; h text height)
C18: Top Overlay "+" at 6451.94,8279.82 h40
DC/DC1: Top Overlay "Vin+" at 7725.79,8565.67 h40 r90; Top Overlay "Vin-" at 6635.24,8565.67 h40 r90; Top Overlay "Vout-" at 6635.24,10262.52 h40 r90; Top Overlay "Vout+" at 7721.85,10258.58 h40 r90
DC/DC2: Top Overlay "Vin+" at 6335.79,8565.67 h40 r90; Top Overlay "Vin-" at 5245.24,8565.67 h40 r90; Top Overlay "Vout-" at 5245.24,10262.52 h40 r90; Top Overlay "Vout+" at 6331.85,10258.58 h40 r90
Down1: Top Overlay "1" at 8883.07,8299.91 h40; Top Overlay "36" at 10743.07,8399.91 h40
Left1: Top Overlay "34" at 8375,8890 h40; Top Overlay "1" at 8220,10590 h40
P8: Bottom Overlay "-" at 7515,11465 h40; Bottom Overlay "+" at 7710,11465 h40
Right1: Top Overlay "34" at 10550,8695 h40; Top Overlay "1" at 10485,10480 h40
U6: Top Overlay "LM1117" at 8450.87,8312.87 h40 r180
Up1: Top Overlay "1" at 8248.15,10759.94 h40; Top Overlay "36" at 10108.15,10859.94 h40